# Altium PCB HMI_Board.PcbDoc (part 2 of 3)
Units mm, origin at the board's own origin, x right, y up, seen from the top; angles counter-clockwise.
Board outline 105 x 63 mm, 4 copper layers (L1, L2, L3, L4), stack 1.586 mm thick; 135 components, 123 nets, 623 pads, 296 vias.
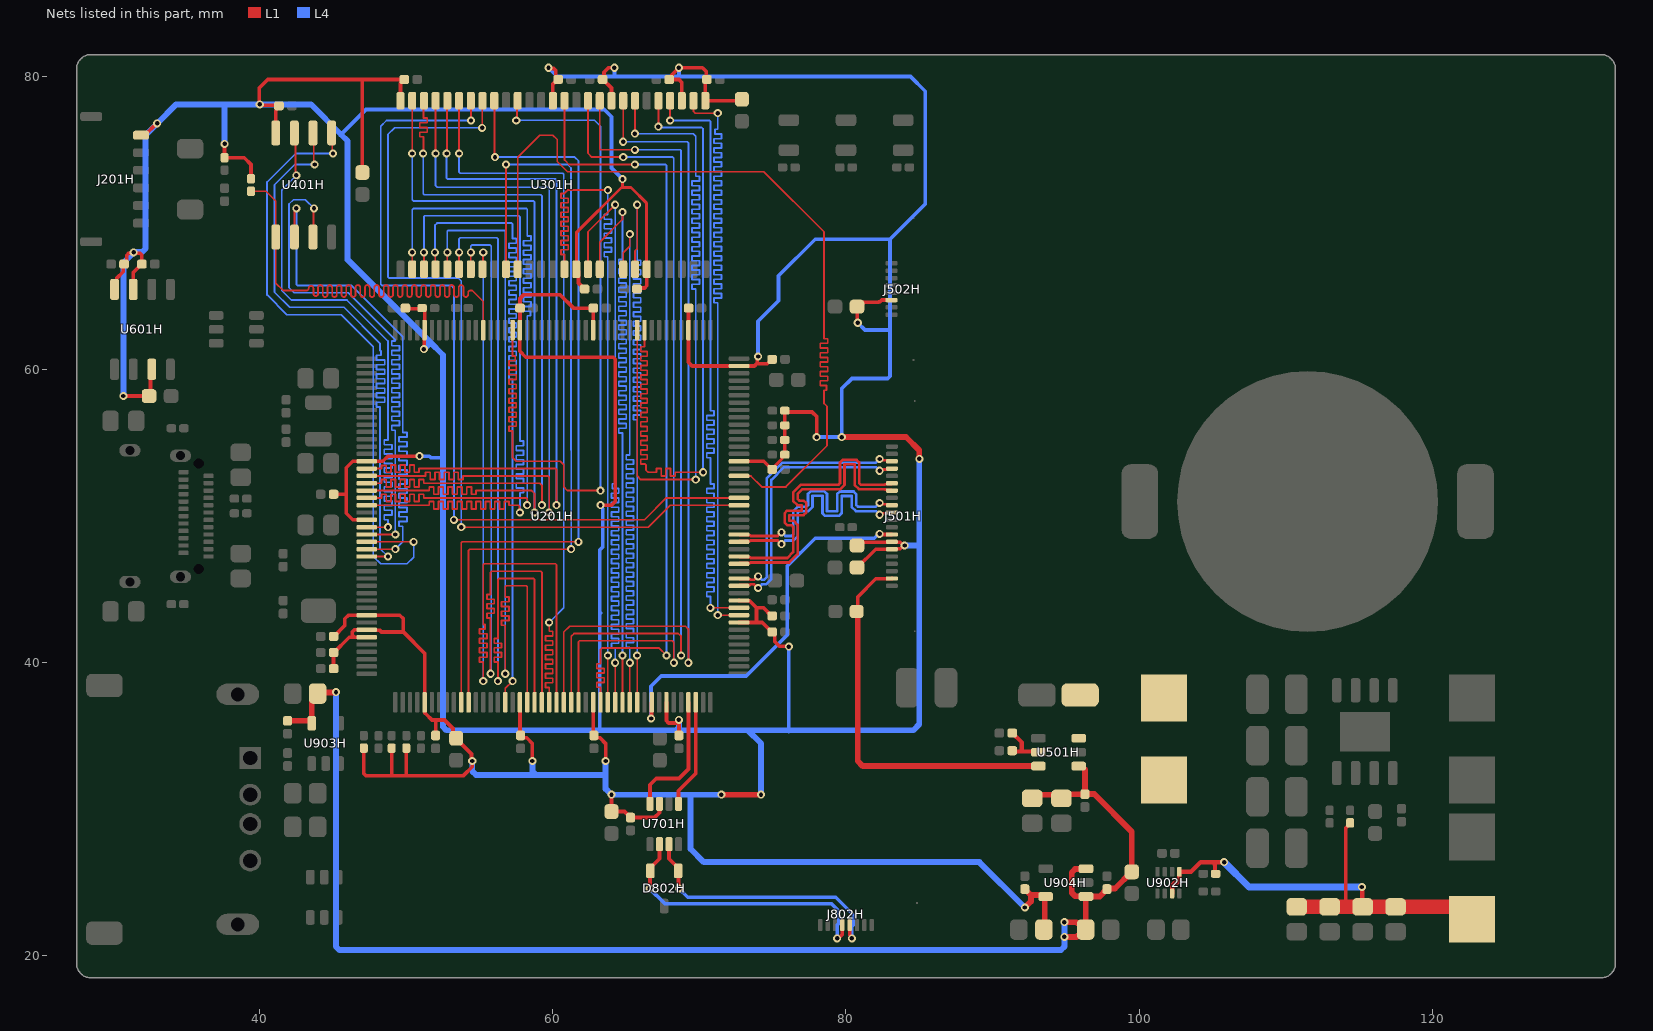
[diagram p4: the nets of this part, all layers, seen from the top]

## Via types
v1: diameter 0.55, hole 0.3, L1 to L4, tented both sides, 290 vias
v2: diameter 0.5, hole 0.2, L1 to L4, 6 vias

## Nets (pads, with @x,y where several pads share a name; then routed paths per layer and width w, separated by ;. In a path a pad name is that pad's centre, name@x,y a point inside that pad or via, vN(x,y) a via of type N, cw(c..) or ccw(c..) an arc to the next point about the centre after c; other vN are vias at no path point)
3.3V: C210H.2 C211H.2 C212H.2 C213H.2 C214H.2 C215H.2 C216H.2 C217H.2 C218H.2 C219H.2 C220H.2 C221H.2 C222H.2 C223H.2 C224H.2 C225H.2 C226H.2 C301H.2 C302H.2 C303H.2 C304H.2 C305H.2 C306H.2 C307H.2 C308H.2 C401H.2 C402H.2 C501H.2 C502H.2 C509H.2 C601H.2 C602H.2 C603H.2 C701H.2 C702H.2 C917H.2 C918H.2 J201H.1 J501H.6 J501H.7 J502H.3 R201H.2 R206H.2 R210H.2 R211H.2 R212H.2 R213H.2 R214H.2 R401H.2 R503H.2 R905H.2 U201H.15 U201H.23 U201H.36 U201H.38 U201H.39 U201H.49 U201H.62 U201H.72 U201H.82 U201H.96 U201H.99 U201H.118 U201H.131 U201H.136 U201H.149 U201H.159 U201H.172 U301H.1 U301H.3 U301H.9 U301H.14 U301H.27 U301H.43 U301H.49 U401H.8 U601H.3 U601H.7 U601H.8 U701H.3 U904H.5 | length 533.5
  L1 w0.2: U301H.43@61.6,66.85 61.6,69.342 64.682,72.424 64.75,72.424 ; v1(64.75,73) 64.75,72.424 ; U301H.49@66.4,66.85 66.4,71.35 65.326,72.424 64.75,72.424 ; C220H.2@75.141,53.425 75.633,53.916 R212H.2@75.633,54.008
  L1 w0.25: U601H.8@30.095,65.475 30.255,65.635 30.255,66.255 30.68,66.68 30.68,67.14 C602H.2@30.74,67.2 30.744,67.2 30.926,67.383 30.926,67.797 31.082,67.952 31.352,67.952 v1(31.4,68) 31.448,67.952 31.814,67.952 31.96,67.806 C601H.2@31.96,67.2 31.94,67.2 31.365,66.625 U601H.7@31.365,65.475 ; v1(30.7,58.2) C603H.2@32.45,58.2 32.543,58.292 32.543,59.932 U601H.3@32.635,60.025 ; J201H.1@31.9,76 32.15,76 32.95,76.8 v1(33,76.8) ; v1(37.6,75.4) R206H.2@37.6,74.465 38.935,74.465 39.4,74 R401H.2@39.4,73.025 ; U401H.8@41.095,76.15 41.095,77.669 41.124,77.697 41.124,77.817 41.306,78 C401H.2@41.31,78 41.26,78.05 40.05,78.05 v1(40,78.1) 39.965,78.135 39.965,79.215 40.55,79.8 47,79.8 C308H.2@49.856,79.8 ; C210H.2@45.04,51.5 45.9,51.5 ; R905H.2@47.1,34.175 47.1,32.446 47.246,32.3 49,32.3 ; U201H.23@47.3,49.75 46.35,49.75 45.9,50.2 45.9,51.5 ; R210H.2@49,34.175 49,32.3 ; U301H.27@49.6,78.35 49.6,79.544 C308H.2@49.856,79.8 ; C308H.2@49.86,79.8 C308H.2@49.856,79.8 ; C223H.2@49.96,64.3 50.109,64.151 51.25,64.151 U201H.172@51.25,62.7 51.225,62.675 51.225,61.425 v1(51.2,61.4) ; 50.3,32.3 49,32.3 ; v1(50.9,54.1) 48.746,54.1 48.396,53.75 U201H.15@47.3,53.75 46.35,53.75 45.9,53.3 45.9,51.5 ; C222H.2@57.755,64.2 57.755,62.705 U201H.159@57.75,62.7 57.75,61.25 58.146,60.854 64.104,60.854 64.25,60.707 64.25,51 64,50.75 v1(63.25,50.75) ; C222H.2@57.76,64.2 57.76,64.86 58,65.1 60.5,65.1 61.4,64.2 C221H.2@62.75,64.2 ; v1(59.7,80.6) 59.748,80.552 60.048,80.552 60.194,80.406 60.194,79.911 C306H.2@60.305,79.8 ; U201H.149@62.75,62.7 C221H.2@62.75,64.2 ; C221H.2@62.76,64.2 C221H.2@62.75,64.2 ; C307H.2@63.39,79.8 63.485,79.895 63.485,80.285 63.8,80.6 v1(64.2,80.6) ; C224H.2@69.26,64.3 69.255,64.295 69.255,62.705 U201H.136@69.25,62.7 69.25,60.5 69.5,60.25 U201H.131@72.7,60.25 73.75,60.25 73.9,60.4 ; U201H.118@72.7,53.75 74.39,53.75 74.94,53.2 C220H.2@74.96,53.2 74.964,53.2 75.165,53.401 C220H.2@75.165,53.405 ; v1(74,60.9) 73.943,60.843 73.943,60.443 73.9,60.4 ; C225H.2@74.96,60.7 74.924,60.7 74.624,60.4 73.9,60.4 ; R212H.2@75.633,54.051 75.782,54.2 R212H.2@75.825,54.2 ; v1(80.8,63.2) 80.775,63.225 80.775,64.325 81.031,64.581 81.252,64.581 81.271,64.6 82.222,64.6 82.249,64.627 82.327,64.627 82.45,64.75 J502H.3@83.103,64.75
  L1 w0.254: C213H.2@45.04,39.6 45.04,40.695 45.045,40.7 C212H.2@45.04,40.7 ; C211H.2@45.04,41.8 45.06,41.8 45.8,42.54 45.8,43 46.05,43.25 U201H.36@47.3,43.25 49.55,43.25 49.8,43 49.8,42.1 ; C212H.2@45.06,40.7 46.073,41.713 ; 46.11,41.75 46.45,41.75 ; C402H.2@47,73.45 47,79.8 ; U201H.39@47.3,41.75 46.45,41.75 ; 50,32.3 R211H.2@50,34.175 ; 50.3,32.3 53.9,32.3 54.5,32.9 v1(54.5,33.3) 54.453,33.347 54.453,33.772 53.4,34.825 C226H.2@53.4,34.85 53.192,35.058 53.192,35.508 52.6,36.1 52,36.1 ; 51.323,36.529 51.752,36.1 52,36.1 ; 51.323,36.53 51.273,36.58 51.273,37.277 U201H.49@51.25,37.3 51.25,40.65 49.8,42.1 ; C214H.2@52,35.06 52,36.1 ; U201H.62@57.75,37.3 57.75,35.09 C215H.2@57.8,35.04 57.96,34.88 58.22,34.88 58.6,34.5 v1(58.6,33.3) ; U301H.14@60,78.35 60,79.495 C306H.2@60.305,79.8 ; U301H.43@61.6,66.85 61.742,66.708 61.742,65.914 62.155,65.5 C304H.2@62.16,65.5 ; U201H.72@62.75,37.3 62.75,35.09 C216H.2@62.8,35.04 62.96,34.88 63.22,34.88 63.6,34.5 v1(63.6,33.3) ; C307H.2@63.41,79.8 64,79.21 U301H.9@64,78.35 ; v1(64,31) C702H.2@64,29.85 64.895,29.85 65.3,29.445 C701H.2@65.3,29.44 66.94,29.44 67.275,29.775 U701H.3@67.275,30.375 ; C303H.2@65.74,65.5 65.809,65.569 66.251,65.569 66.4,65.718 U301H.49@66.4,66.85 ; U201H.82@67.75,37.3 67.75,36.039 67.899,35.89 v1@68.6,35.89 ; C305H.2@67.94,79.8 C305H.2@67.945,79.8 ; C217H.2@68.6,35.04 v1@68.6,35.89 ; v1(68.6,36.1) v1@68.6,35.89 ; U301H.3@68.8,78.35 68.8,79.6 68.6,79.8 C305H.2@67.945,79.8 ; U201H.96@72.7,42.75 73.9,42.75 ; U201H.99@72.7,44.25 72.723,44.227 73.421,44.227 73.9,43.748 ; C301H.2@72.9,78.45 72.8,78.35 U301H.1@70.4,78.35 70.4,79.69 C302H.2@70.51,79.8 70.465,79.845 70.465,80.335 70.2,80.6 v1(68.6,80.6) 68.126,80.126 68.126,79.981 C305H.2@67.945,79.8 ; C219H.2@74.96,43.2 74.925,43.2 74.377,43.748 73.9,43.748 ; R212H.2@75.825,54.2 R214H.2@75.825,55.2 R213H.2@75.825,56.2 R503H.2@75.825,57.2 75.913,57.112 77.688,57.112 78,56.8 v1(78,55.4) ; v1(76.1,41.1) 76.069,41.131 75.469,41.131 75.146,41.454 75.146,41.919 74.965,42.1 C218H.2@74.96,42.1 74.94,42.1 74.29,42.75 73.9,42.75 ; C501H.2@80.75,46.5 80.775,46.5 82.025,47.75 J501H.6@83.132,47.75 83.155,47.773 83.706,47.773 v1@83.933,48 ; C502H.2@80.75,48 80.977,48.227 83.109,48.227 J501H.7@83.132,48.25 83.155,48.227 83.706,48.227 v1@83.933,48 ; v1(84,48) v1@83.933,48 ; 46.45,41.75 46.309,41.891 46.309,42.101 46.458,42.25 U201H.38@47.3,42.25 47.323,42.227 48.173,42.227 48.3,42.1 49.8,42.1 ; 73.9,42.75 73.9,43.7 73.9,43.748
  L1 w0.4: v1(71.5,31) v1(74.2,31) ; v1(79.709,55.4) 84.1,55.4 85,54.5 v1(85,53.912) ; v1(92.2,23.3) 92.61,23.71 92.61,24.15 ; C917H.2@92.2,24.56 92.2,24.54 92.31,24.43 92.33,24.43 92.61,24.15 ; C918H.2@93.5,21.8 93.563,21.863 93.563,23.987 93.4,24.15 92.61,24.15
  L4 w0.25: v1(50.9,54.1) 51.575,54.1 51.675,54 52.5,54 ; 63.241,35.4 63.2,35.441 63.2,43.383 63.2,47.7 63.4,47.9 63.4,50.519 63.25,50.669 v1(63.25,50.75) ; 63.241,43.383 63.25,43.392 ; v1(74,60.9) 74,63.3 75.4,64.7 75.4,66.4 77.9,68.9 83,68.9 85.4,71.3 85.4,79 84.4,80
  L4 w0.254: 45.55,76.05 47.25,77.75 63.5,77.75 64,77.25 64,73.75 v1(64.75,73) ; v1(59.7,80.6) 60.3,80 64.15,80 ; v1(64.2,80.6) 64.2,80.05 64.15,80 ; v1(68.6,80.6) 68.6,80 ; 76.1,35.3 76.1,35.4 v1(76.1,41.1) ; v1(78,55.4) v1(79.709,55.4) 79.709,58.709 80.4,59.4 82.851,59.4 83,59.549 83,62.7 ; v1(80.8,63.2) 81.3,62.7 83,62.7 ; 83,68.9 83,62.7 ; 84.4,80 68.6,80 ; 64.15,80 68.6,80
  L4 w0.4: v1(30.7,58.2) 30.7,67.3 v1(31.4,68) 31.419,68.019 31.966,68.019 32.2,68.253 32.2,76 v1(33,76.8) 34.3,78.1 37.6,78.1 ; v1(37.6,75.4) 37.6,78.1 ; v1(51.2,61.4) 51.6,61.8 51.6,61.9 ; v1(54.5,33.3) 54.5,32.6 54.764,32.336 58.864,32.336 ; v1(58.6,33.3) 58.6,32.6 58.864,32.336 ; v1@63.6,33.273 63.6,32.336 ; v1(68.6,36.1) 68.6,35.6 68.4,35.4 ; v1(71.5,31) 69.392,31 ; v1(74.2,31) 74.2,34.5 73.3,35.4 ; v1(84,48) 84.9,48 85,48.1 ; v1(85,53.912) 85,48.1 ; v1(92.2,23.3) 89.1,26.4 70.3,26.4 69.4,27.3 69.4,30.992 69.392,31 ; 37.6,78.1 v1(40,78.1) 43.5,78.1 45.55,76.05 46,75.6 46,67.5 51.6,61.9 ; 51.6,61.9 52.5,61 52.5,54 52.5,35.634 52.734,35.4 63.241,35.4 68.4,35.4 ; 58.864,32.336 63.6,32.336 ; 63.6,32.336 63.6,31.4 v1(64,31) 69.392,31 ; 68.4,35.4 73.3,35.4 ; 73.3,35.4 76.1,35.4 84.6,35.4 85,35.8 85,48.1
5V: C503H.2 C504H.2 C505H.2 C913H.2 C914H.2 C919H.2 C920H.2 FB901H.2 L501H.1 U501H.1 U903H.5 U904H.1 U904H.3 | length 100.1
  L1 w0.4: C920H.2@41.9,36.04 43.45,36.04 U903H.5@43.55,35.94 ; U903H.5@43.55,35.875 U903H.5@43.55,35.94 ; v1(45.2,38) 45.181,37.981 44.073,37.981 43.95,37.858 43.95,37.854 43.95,37.746 43.55,37.346 U903H.5@43.55,35.94 ; C503H.2@92.7,30.75 92.95,31 94.45,31 C504H.2@94.7,30.75 94.978,31.028 96.288,31.028 C505H.2@96.3,31.04 ; v1@94.927,21.3 95.716,21.3 95.777,21.362 95.958,21.362 96.35,21.754 C914H.2@96.35,21.8 ; v1@94.927,22.3 95.716,22.3 95.777,22.238 95.958,22.238 96.35,21.846 C914H.2@96.35,21.8 ; U501H.1@95.875,32.95 96.075,32.95 96.3,32.725 C505H.2@96.3,31.04 ; U904H.1@96.375,24.05 97.31,24.05 97.8,24.54 C913H.2@97.8,24.56 ; U904H.3@96.375,25.95 96.355,25.93 95.634,25.93 95.4,25.696 95.4,24.304 95.634,24.07 96.355,24.07 96.363,24.062 96.363,21.812 C914H.2@96.35,21.8 ; C913H.2@97.8,24.58 97.821,24.601 98.357,24.601 99.496,25.74 FB901H.2@99.5,25.74 99.5,28.48 96.94,31.04 C505H.2@96.3,31.04
  L4 w0.4: v1(45.2,38) 45.2,20.634 45.434,20.4 94.666,20.4 94.9,20.634 v1(94.9,22.3)
  other v1: 94.9,21.3
5V_Primary: C906H.2 C907H.2 C908H.2 C909H.2 L902H.2 R901H.2 R903H.2 U902H.3 U902H.5 | length 35.8
  L1 w0.25: R901H.2@114.4,29.075 114.4,29.029 114.1,28.729 114.1,23.7 114.45,23.35
  L1 w0.3: U902H.3@102.25,24.26 102.25,24.824 102.426,25 102.574,25 102.75,25.176 U902H.5@102.75,25.74 103.54,25.74 104.2,26.4 105,26.4 ; R903H.2@105.225,25.6 105.176,25.649 105.176,26.224 105,26.4 ; v1(105.8,26.4) 105,26.4 ; v1(115.2,24.7) 115.225,24.675 115.225,23.37 C909H.2@115.205,23.35
  L1 w1: C907H.2@110.75,23.35 C908H.2@113,23.35 114.45,23.35 115.205,23.35 C909H.2@115.25,23.35 C906H.2@117.5,23.35 121.85,23.35 L902H.2@122.7,22.5
  L4 w0.5: v1(105.8,26.4) 107.5,24.7 v1(115.2,24.7)
BL_DRIVER_COMP: C507H.2 C508H.2 U501H.5 | length 3.4
  L1 w0.3: C507H.2@91.34,34 91.39,33.95 92,33.95 ; C508H.2@91.34,35.2 91.36,35.2 92,34.56 92,33.95 ; U501H.5@93.125,33.9 93.075,33.95 92,33.95
BL_DRIVER_FB: J501H.2 R501H.2 U501H.6 | length 26.5
  L1 w0.254: R501H.2@80.725,43.5 80.797,43.572 80.797,44.497 82.027,45.727 83.109,45.727 J501H.2@83.132,45.75
  L1 w0.4: R501H.2@80.8,43.418 80.8,33.3 81.15,32.95 U501H.6@93.125,32.95
BL_DRIVER_SW: D501H.1 L501H.2 U501H.3
CAN2_RX: U201H.85 U701H.4 | length 8.9
  L1 w0.254: U701H.4@66.625,30.375 66.625,31.676 67.049,32.1 68.6,32.1 69.25,32.75 U201H.85@69.25,37.3
CAN2_TX: U201H.86 U701H.1 | length 7.4
  L1 w0.254: U701H.1@68.575,30.375 68.575,31.275 69.75,32.45 U201H.86@69.75,37.3
CAN_CN_N: D802H.2 J802H.5 U701H.6 | length 19.6
  L1 w0.25: v1(66.6,24.6) 66.625,24.625 66.625,25.775 D802H.2@66.65,25.8 ; D802H.2@66.65,26 67.275,26.625 U701H.6@67.275,27.625 ; v1(79.4,21.2) 79.448,21.248 79.536,21.248 79.75,21.462 J802H.5@79.75,22.103
  L4 w0.25: v1(66.6,24.6) 67.65,23.55 79.009,23.55 79.5,23.059 79.5,22.213 79.4,22.113 v1(79.4,21.2)
CAN_CN_P: D802H.1 J802H.4 U701H.7 | length 18.4
  L1 w0.25: U701H.7@67.925,27.625 67.925,26.625 D802H.1@68.55,26 ; D802H.1@68.55,25.8 68.575,25.775 68.575,24.625 v1(68.6,24.6) ; J802H.4@80.25,22.103 80.25,21.418 80.4,21.268 v1(80.4,21.2)
  L4 w0.25: v1(68.6,24.6) 69.2,24 79.3,24 80.5,22.8 80.5,22.084 80.4,21.984 v1(80.4,21.2)
DSI_CK_N: J501H.15 U201H.105 | length 19.9
  L1 w0.18: U201H.105@72.7,47.25 72.76,47.19 73.448,47.19 73.485,47.154 73.8,47.154 75.9,47.154 76,47.154 76.4,47.554 76.4,49.1 76.4,49.28 76.295,49.386 75.99,49.386 75.811,49.565 75.811,50.2 75.99,50.38 76.984,50.38 76.984,50.76 76.685,50.76 76.4,51.045 76.4,51.466 76.4,51.634 76.919,52.154 79.309,52.154 79.489,52.154 79.595,52.259 79.595,53.663 79.775,53.843 80.717,53.843 80.897,53.663 80.897,52.259 81.003,52.154 81.7,52.154 82.647,52.154 82.684,52.19 83.072,52.19 J501H.15@83.132,52.25
DSI_CK_P: J501H.14 U201H.104 | length 19.9
  L1 w0.18: U201H.104@72.7,46.75 72.76,46.81 73.448,46.81 73.485,46.846 73.8,46.846 75.9,46.846 76.127,46.846 76.707,47.426 76.707,49.1 76.707,49.407 76.422,49.693 76.118,49.693 76.118,50.073 77.111,50.073 77.291,50.253 77.291,50.887 77.111,51.067 76.813,51.067 76.707,51.172 76.707,51.466 76.707,51.507 77.046,51.846 79.309,51.846 79.616,51.846 79.902,52.132 79.902,53.536 80.59,53.536 80.59,52.132 80.875,51.846 81.7,51.846 82.647,51.846 82.684,51.81 83.072,51.81 J501H.14@83.132,51.75
DSI_D0_N: J501H.18 U201H.102 | length 18.1
  L1 w0.18: U201H.102@72.7,45.75 72.76,45.69 73.448,45.69 73.485,45.654 73.735,45.654 73.981,45.9 v1(74,45.9) ; v1(82.3,53.9) 82.387,53.9 82.477,53.81 83.072,53.81 J501H.18@83.132,53.75
  L4 w0.18: v1(74,45.9) 74.019,45.9 74.265,45.654 74.415,45.654 74.6,45.839 74.6,52.6 75.654,53.654 82.035,53.654 82.281,53.9 v1(82.3,53.9)
DSI_D0_P: J501H.17 U201H.101 | length 18.1
  L1 w0.18: U201H.101@72.7,45.25 72.76,45.31 73.448,45.31 73.485,45.346 73.735,45.346 73.981,45.1 v1(74,45.1) ; v1(82.3,53.1) 82.387,53.1 82.477,53.19 83.072,53.19 J501H.17@83.132,53.25
  L4 w0.18: v1(74,45.1) 74.019,45.1 74.265,45.346 74.542,45.346 74.907,45.712 74.907,52.473 75.781,53.346 82.035,53.346 82.281,53.1 v1(82.3,53.1)
DSI_D1_N: J501H.12 U201H.108 | length 16.8
  L1 w0.18: U201H.108@72.7,48.75 72.76,48.69 73.448,48.69 73.485,48.654 74.961,48.654 75.335,48.654 75.581,48.9 v1(75.6,48.9) ; v1(82.3,50.9) 82.387,50.9 82.477,50.81 83.072,50.81 J501H.12@83.132,50.75
  L4 w0.18: v1(75.6,48.9) 75.619,48.9 75.865,48.654 76.295,48.654 76.4,48.759 76.4,50.334 76.719,50.654 77.12,50.654 77.3,50.654 77.405,50.759 77.405,51.52 77.585,51.7 78.528,51.7 78.708,51.52 78.708,50.329 79.396,50.329 79.396,51.502 79.576,51.682 80.518,51.682 80.698,51.502 80.698,50.759 80.803,50.654 81.4,50.654 82.035,50.654 82.281,50.9 v1(82.3,50.9)
DSI_D1_P: J501H.11 U201H.107 | length 16.8
  L1 w0.18: U201H.107@72.7,48.25 72.76,48.31 73.448,48.31 73.485,48.346 75.088,48.346 75.335,48.346 75.581,48.1 v1(75.6,48.1) ; v1(82.3,50.1) 82.387,50.1 82.477,50.19 83.072,50.19 J501H.11@83.132,50.25
  L4 w0.18: v1(75.6,48.1) 75.619,48.1 75.865,48.346 76.422,48.346 76.707,48.632 76.707,50.207 76.846,50.346 77.12,50.346 77.427,50.346 77.712,50.632 77.712,51.393 78.401,51.393 78.401,50.202 78.58,50.022 79.523,50.022 79.703,50.202 79.703,51.374 80.391,51.374 80.391,50.632 80.676,50.346 81.4,50.346 82.035,50.346 82.281,50.1 v1(82.3,50.1)
DSI_TE: J501H.8 U201H.80 | length 26.8
  L1 w0.25: v1(66.7,36.2) 66.725,36.225 66.725,37.275 U201H.80@66.75,37.3 ; v1(82.3,48.8) 82.368,48.8 82.418,48.75 J501H.8@83.132,48.75
  L4 w0.25: v1(66.7,36.2) 66.7,38.4 67.4,39.1 73.2,39.1 76,41.9 76,46.6 77.9,48.5 81.932,48.5 82.232,48.8 v1(82.3,48.8)
FLASH_C\S\: R401H.1 U201H.164 U401H.1 | length 46.7
  L1 w0.12: R401H.1@39.4,72.175 40.425,72.175 41.095,71.505 U401H.1@41.095,69.05 41.095,65.905 41.6,65.4 42.855,65.4 43.18,65.4 ccw(c43.18,65.56) 43.34,65.56 cw(c43.5,65.56) 43.66,65.56 43.66,65.186 ccw(c43.82,65.186) 43.98,65.186 43.98,65.609 cw(c44.14,65.609) 44.3,65.609 44.3,65.12 ccw(c44.46,65.12) 44.62,65.12 44.62,65.609 cw(c44.78,65.609) 44.94,65.609 44.94,65.12 ccw(c45.1,65.12) 45.26,65.12 45.26,65.609 cw(c45.42,65.609) 45.58,65.609 45.58,65.12 ccw(c45.74,65.12) 45.9,65.12 45.9,65.609 cw(c46.06,65.609) 46.22,65.609 46.22,65.12 ccw(c46.38,65.12) 46.54,65.12 46.54,65.609 cw(c46.7,65.609) 46.86,65.609 46.86,65.12 ccw(c47.02,65.12) 47.18,65.12 47.18,65.609 cw(c47.34,65.609) 47.5,65.609 47.5,65.12 ccw(c47.66,65.12) 47.82,65.12 47.82,65.609 cw(c47.98,65.609) 48.14,65.609 48.14,65.12 ccw(c48.3,65.12) 48.46,65.12 48.46,65.609 cw(c48.62,65.609) 48.78,65.609 48.78,65.12 ccw(c48.94,65.12) 49.1,65.12 49.1,65.609 cw(c49.26,65.609) 49.42,65.609 49.42,65.12 ccw(c49.58,65.12) 49.74,65.12 49.74,65.609 cw(c49.9,65.609) 50.06,65.609 50.06,65.12 ccw(c50.22,65.12) 50.38,65.12 50.38,65.609 cw(c50.54,65.609) 50.7,65.609 50.7,65.12 ccw(c50.86,65.12) 51.02,65.12 51.02,65.609 cw(c51.18,65.609) 51.34,65.609 51.34,65.12 ccw(c51.5,65.12) 51.66,65.12 51.66,65.609 cw(c51.82,65.609) 51.98,65.609 51.98,65.12 ccw(c52.14,65.12) 52.3,65.12 52.3,65.609 cw(c52.46,65.609) 52.62,65.609 52.62,65.12 ccw(c52.78,65.12) 52.94,65.12 52.94,65.609 cw(c53.1,65.609) 53.26,65.609 53.26,65.12 ccw(c53.42,65.12) 53.58,65.12 53.58,65.609 cw(c53.74,65.609) 53.9,65.609 53.9,65.12 ccw(c54.06,65.12) 54.22,65.12 54.22,65.24 cw(c54.38,65.24) 54.38,65.4 54.5,65.4 54.6,65.3 55.25,64.65 U201H.164@55.25,62.7
FLASH_D0: U201H.26 U401H.5 | length 44.9
  L1 w0.12: U401H.5@44.905,76.15 44.953,76.102 44.953,74.797 v1(45,74.75) ; U201H.26@47.3,48.25 v1(50.5,48.25)
  L4 w0.12: v1(45,74.75) 42.45,74.75 40.5,72.8 40.5,65.1 41.85,63.75 45.55,63.75 47.75,61.55 47.75,47.25 48.25,46.75 50.05,46.75 50.5,47.2 v1(50.5,48.25)
FLASH_D1: U201H.27 U401H.2 | length 43.4
  L1 w0.12: U401H.2@42.365,69.05 42.365,70.762 42.5,70.897 v1(42.5,71) ; U201H.27@47.3,47.75 v1(49.25,47.75)
  L4 w0.12: v1(42.5,71) 42.5,65.82 42.57,65.75 46.25,65.75 49.75,62.25 49.75,55.845 49.75,55.72 50.04,55.72 50.04,55.4 49.5,55.4 49.5,55.08 50.04,55.08 50.04,54.76 49.5,54.76 49.5,54.44 50.04,54.44 50.04,54.12 49.5,54.12 49.5,53.8 50.04,53.8 50.04,53.48 49.5,53.48 49.5,53.16 50.04,53.16 50.04,52.84 49.5,52.84 49.5,52.52 50.04,52.52 50.04,52.2 49.5,52.2 49.5,51.88 50.04,51.88 50.04,51.56 49.5,51.56 49.5,51.24 50.04,51.24 50.04,50.92 49.5,50.92 49.5,50.6 50.04,50.6 50.04,50.28 49.5,50.28 49.5,49.96 50.04,49.96 50.04,49.64 49.5,49.64 49.5,49.32 49.75,49.32 49.75,49.26 49.75,48.25 v1(49.25,47.75)
FLASH_D2: U201H.25 U401H.3 | length 43.8
  L1 w0.12: U401H.3@43.635,69.05 43.667,69.082 43.667,70.968 v1(43.7,71) ; U201H.25@47.3,48.75 v1(49.25,48.75)
  L4 w0.12: v1(43.7,71) 43.1,71.6 42.3,71.6 42,71.3 42,65.6 42.35,65.25 46.05,65.25 49.25,62.05 49.25,62.039 49.25,61.947 49,61.947 49,61.627 49.53,61.627 49.53,61.307 49,61.307 49,60.987 49.53,60.987 49.53,60.667 49,60.667 49,60.347 49.53,60.347 49.53,60.027 49,60.027 49,59.707 49.53,59.707 49.53,59.387 49,59.387 49,59.067 49.53,59.067 49.53,58.747 49,58.747 49,58.427 49.53,58.427 49.53,58.107 49,58.107 49,57.787 49.53,57.787 49.53,57.467 49,57.467 49,57.147 49.53,57.147 49.53,56.827 49,56.827 49,56.507 49.53,56.507 49.53,56.187 49,56.187 49,55.867 49.25,55.867 49.25,55.807 v1(49.25,48.75)
FLASH_D3: U201H.24 U401H.7 | length 43
  L1 w0.12: U401H.7@42.365,76.15 42.433,76.082 42.433,73.317 v1(42.5,73.25) ; U201H.24@47.3,49.25 v1(48.75,49.25)
  L4 w0.12: v1(42.5,73.25) 41.5,72.25 41.5,65.4 42.15,64.75 45.95,64.75 48.75,61.95 48.75,55.468 48.75,55.202 48.5,55.202 48.5,54.882 49.03,54.882 49.03,54.562 48.5,54.562 48.5,54.242 49.03,54.242 49.03,53.922 48.5,53.922 48.5,53.602 49.03,53.602 49.03,53.282 48.5,53.282 48.5,52.962 49.03,52.962 49.03,52.642 48.5,52.642 48.5,52.322 49.03,52.322 49.03,52.002 48.5,52.002 48.5,51.682 49.03,51.682 49.03,51.362 48.5,51.362 48.5,51.042 49.03,51.042 49.03,50.722 48.5,50.722 48.5,50.402 49.03,50.402 49.03,50.082 48.5,50.082 48.5,49.762 48.75,49.762 48.75,49.702 v1@48.75,49.259
FLASH_SCK: U201H.28 U401H.6 | length 43.9
  L1 w0.12: U401H.6@43.635,76.15 43.693,76.092 43.693,74.057 v1(43.75,74) ; U201H.28@47.3,47.25 v1(48.75,47.25)
  L4 w0.12: v1(43.75,74) 42.4,74 41,72.6 41,65.3 42.05,64.25 45.75,64.25 48.2,61.8 48.2,61.46 48.2,61.295 48.267,61.295 48.267,60.975 47.97,60.975 47.97,60.655 48.53,60.655 48.53,60.335 47.97,60.335 47.97,60.015 48.53,60.015 48.53,59.695 47.97,59.695 47.97,59.375 48.53,59.375 48.53,59.055 47.97,59.055 47.97,58.735 48.53,58.735 48.53,58.415 47.97,58.415 47.97,58.095 48.53,58.095 48.53,57.775 47.97,57.775 47.97,57.455 48.2,57.455 48.2,57.395 48.2,47.8 v1(48.75,47.25)
FMC_A0: U201H.16 U301H.23 | length 54.4
  L1 w0.12: U201H.16@47.3,53.25 48.25,53.25 48.31,53.25 48.31,53.465 48.63,53.465 48.63,53 48.95,53 48.95,53.5 49.27,53.5 49.27,53 49.59,53 49.59,53.5 49.91,53.5 49.91,53 50.23,53 50.23,53.5 50.55,53.5 50.55,53 50.87,53 50.87,53.25 50.935,53.25 60.18,53.25 60.25,53.18 v1(60.25,50.75) ; v1(52.75,74.75) 52.775,74.775 52.775,78.325 U301H.23@52.8,78.35
  L4 w0.12: v1(52.75,74.75) 52.75,73.07 52.82,73 60.18,73 60.25,72.93 v1(60.25,50.75)
FMC_A1: U201H.17 U301H.24 | length 54.6
  L1 w0.12: U201H.17@47.3,52.75 48.3,52.75 50.09,52.75 51.25,52.75 51.31,52.75 51.31,53 51.63,53 51.63,52.5 51.95,52.5 51.95,53 52.27,53 52.27,52.5 52.59,52.5 52.59,53 52.91,53 52.91,52.5 53.23,52.5 53.23,53 53.55,53 53.55,52.5 53.87,52.5 53.87,52.75 54.25,52.75 59.65,52.75 59.75,52.65 v1(59.75,50.25) ; v1(52,74.75) U301H.24@52,78.35
  L4 w0.12: v1(52,74.75) 52,72.55 52.1,72.45 59.68,72.45 59.75,72.38 v1(59.75,50.25)
FMC_A2: U201H.18 U301H.25 | length 55.5
  L1 w0.12: U201H.18@47.3,52.25 48.25,52.25 48.31,52.25 48.31,52.5 48.63,52.5 48.63,52 48.95,52 48.95,52.5 49.27,52.5 49.27,52 49.59,52 49.59,52.5 49.91,52.5 49.91,52 50.23,52 50.23,52.5 50.55,52.5 50.55,52 50.87,52 50.87,52.5 51.19,52.5 51.19,52.25 51.5,52.25 59.1,52.25 59.25,52.1 v1(59.25,50.75) ; v1(51.15,74.75) 51.175,74.775 51.175,75.825 51.175,75.885 50.925,75.885 50.925,76.205 51.425,76.205 51.425,76.525 50.925,76.525 50.925,76.845 51.425,76.845 51.425,77.165 51.175,77.165 51.175,77.25 51.175,78.325 U301H.25@51.2,78.35
  L4 w0.12: v1(51.15,74.75) 51.15,72 51.22,71.93 59.18,71.93 59.25,71.859 v1(59.25,50.75)
FMC_A3: U201H.19 U301H.26 | length 54.2
  L1 w0.12: U201H.19@47.3,51.75 48.1,51.75 50.8,51.75 51.5,51.75 51.56,51.75 51.56,52 51.88,52 51.88,51.5 52.2,51.5 52.2,52 52.52,52 52.52,51.5 52.84,51.5 52.84,52 53.16,52 53.16,51.5 53.48,51.5 53.48,52 53.8,52 53.8,51.5 54.12,51.5 54.12,52 54.44,52 54.44,51.5 54.76,51.5 54.76,51.75 55,51.75 58.55,51.75 58.75,51.55 v1(58.75,50.25) ; v1(50.4,74.75) U301H.26@50.4,78.35
  L4 w0.12: v1(50.4,74.75) 50.4,71.6 50.5,71.5 58.68,71.5 58.75,71.43 v1(58.75,50.25)
FMC_A4: U201H.20 U301H.29 | length 56.5
  L1 w0.12: U201H.20@47.3,51.25 48.25,51.25 48.31,51.25 48.31,51.5 48.63,51.5 48.63,51 48.95,51 48.95,51.5 49.27,51.5 49.27,51 49.59,51 49.59,51.5 49.91,51.5 49.91,51 50.23,51 50.23,51.5 50.55,51.5 50.55,51 50.87,51 50.87,51.5 51.19,51.5 51.19,51.25 51.5,51.25 58.18,51.25 58.25,51.18 v1(58.25,50.75) ; U301H.29@50.4,66.85 v1(50.4,68)
  L4 w0.12: v1(50.4,68) 50.4,70.9 50.5,71 58.18,71 58.25,70.93 58.25,69.17 58.25,69.11 58.5,69.11 58.5,68.79 58,68.79 58,68.47 58.5,68.47 58.5,68.15 58,68.15 58,67.83 58.5,67.83 58.5,67.51 58,67.51 58,67.19 58.5,67.19 58.5,66.87 58,66.87 58,66.55 58.5,66.55 58.5,66.23 58,66.23 58,65.91 58.5,65.91 58.5,65.59 58,65.59 58,65.27 58.5,65.27 58.5,64.95 58,64.95 58,64.63 58.5,64.63 58.5,64.31 58,64.31 58,63.99 58.475,63.99 58.475,63.67 58.25,63.67 58.25,62.67 v1(58.25,50.75)
FMC_A5: U201H.21 U301H.30 | length 55.3
  L1 w0.12: U201H.21@47.3,50.75 51.5,50.75 51.56,50.75 51.56,51 51.88,51 51.88,50.5 52.2,50.5 52.2,51 52.52,51 52.52,50.5 52.84,50.5 52.84,51 53.16,51 53.16,50.5 53.48,50.5 53.48,51 53.8,51 53.8,50.5 54.12,50.5 54.12,51 54.44,51 54.44,50.5 54.76,50.5 54.76,51 55.08,51 55.08,50.5 55.4,50.5 55.4,51 55.72,51 55.72,50.5 56.04,50.5 56.04,51 56.36,51 56.36,50.5 56.68,50.5 56.68,51 57,51 57,50.75 57.25,50.75 57.65,50.75 57.72,50.68 57.72,50.28 v1(57.75,50.25) ; U301H.30@51.2,66.85 v1(51.2,68)
  L4 w0.12: v1(51.2,68) 51.2,70.43 51.27,70.5 57.68,70.5 57.75,70.43 57.75,55.185 57.75,55.125 58,55.125 58,54.805 57.5,54.805 57.5,54.485 58,54.485 58,54.165 57.5,54.165 57.5,53.845 58,53.845 58,53.525 57.5,53.525 57.5,53.205 58,53.205 58,52.885 57.5,52.885 57.5,52.565 58,52.565 58,52.245 57.5,52.245 57.5,51.925 58,51.925 58,51.605 57.75,51.605 57.75,51.435 v1(57.75,50.25)
FMC_A6: U201H.60 U301H.31 | length 56.2
  L1 w0.12: v1(51.95,68) 51.975,67.975 51.975,66.875 U301H.31@52,66.85 ; U201H.60@56.75,37.3 56.75,38.25 v1(57.25,38.75)
  L4 w0.12: v1(51.95,68) 51.95,69.85 52.1,70 57.18,70 57.25,69.93 57.25,69 57.25,68.94 57.5,68.94 57.5,68.62 57,68.62 57,68.3 57.5,68.3 57.5,67.98 57,67.98 57,67.66 57.5,67.66 57.5,67.34 57,67.34 57,67.02 57.5,67.02 57.5,66.7 57,66.7 57,66.38 57.5,66.38 57.5,66.06 57,66.06 57,65.74 57.5,65.74 57.5,65.42 57,65.42 57,65.1 57.5,65.1 57.5,64.78 57,64.78 57,64.46 57.5,64.46 57.5,64.14 57,64.14 57,63.82 57.5,63.82 57.5,63.5 57,63.5 57,63.18 57.5,63.18 57.5,62.86 57,62.86 57,62.54 57.5,62.54 57.5,62.22 57,62.22 57,61.9 57.5,61.9 57.5,61.58 57,61.58 57,61.26 57.5,61.26 57.5,60.94 57,60.94 57,60.62 57.5,60.62 57.5,60.3 57,60.3 57,59.98 57.5,59.98 57.5,59.66 57,59.66 57,59.34 57.25,59.34 57.25,59.25 v1(57.25,38.75)
FMC_A7: U201H.63 U301H.32 | length 55.1
  L1 w0.12: U301H.32@52.8,66.85 v1(52.8,68) ; v1(56.75,39.25) 56.75,42.5 56.75,42.56 56.5,42.56 56.5,42.88 57,42.88 57,43.2 56.5,43.2 56.5,43.52 57,43.52 57,43.84 56.5,43.84 56.5,44.16 57,44.16 57,44.48 56.75,44.48 56.75,44.8 56.75,45.18 56.82,45.25 58.18,45.25 58.25,45.18 U201H.63@58.25,37.3
  L4 w0.12: v1(52.8,68) 52.8,69.43 52.87,69.5 56.68,69.5 56.75,69.43 v1(56.75,39.25)
FMC_A8: U201H.64 U301H.33 | length 55.3
  L1 w0.12: U301H.33@53.6,66.85 v1(53.6,68) ; v1(56.25,38.75) 56.25,40 56.25,40.06 56,40.06 56,40.38 56.5,40.38 56.5,40.7 56,40.7 56,41.02 56.5,41.02 56.5,41.34 56,41.34 56,41.66 56.25,41.66 56.25,42 56.25,45.68 56.32,45.75 58.68,45.75 58.75,45.68 U201H.64@58.75,37.3
  L4 w0.12: v1(53.6,68) 53.6,68.93 53.67,69 56.18,69 56.25,68.93 v1(56.25,38.75)
FMC_A9: U201H.65 U301H.34 | length 54.1
  L1 w0.12: U301H.34@54.4,66.85 v1(54.4,68) ; v1(55.75,39.25) 55.75,43 55.75,43.06 55.5,43.06 55.5,43.38 56,43.38 56,43.7 55.5,43.7 55.5,44.02 56,44.02 56,44.34 55.5,44.34 55.5,44.66 55.75,44.66 55.75,45 55.75,46.18 55.82,46.25 59.18,46.25 59.25,46.18 U201H.65@59.25,37.3
  L4 w0.12: v1(54.4,68) 54.4,68.43 54.47,68.5 55.73,68.5 55.8,68.43 55.8,39.3 v1(55.75,39.25)
FMC_A10: U201H.66 U301H.22 | length 54.5
  L1 w0.12: v1(53.6,74.75) U301H.22@53.6,78.35 ; U201H.66@59.75,37.3 59.75,38.25 59.75,38.31 59.5,38.31 59.5,38.63 60,38.63 60,38.95 59.5,38.95 59.5,39.27 60,39.27 60,39.59 59.5,39.59 59.5,39.91 60,39.91 60,40.23 59.5,40.23 59.5,40.55 60,40.55 60,40.87 59.5,40.87 59.5,41.19 60,41.19 60,41.51 59.5,41.51 59.5,41.83 60,41.83 60,42.15 59.75,42.15 59.75,42.485 v1(59.75,42.75)
  L4 w0.12: v1(53.6,74.75) 53.6,73.47 53.67,73.4 60.68,73.4 60.75,73.33 60.75,43.75 v1(59.75,42.75)
FMC_A11: U201H.67 U301H.35 | length 56.5
  L1 w0.12: U301H.35@55.2,66.85 55.225,66.875 55.225,67.975 v1(55.25,68) ; v1(55.25,38.75) 55.25,40 55.25,40.06 55,40.06 55,40.38 55.5,40.38 55.5,40.7 55,40.7 55,41.02 55.5,41.02 55.5,41.34 55,41.34 55,41.66 55.5,41.66 55.5,41.98 55,41.98 55,42.3 55.365,42.3 55.365,42.62 55.25,42.62 55.25,42.75 55.25,46.68 55.32,46.75 60.18,46.75 60.25,46.68 U201H.67@60.25,37.3
  L4 w0.12: v1(55.25,38.75) v1(55.25,68)
FMC_BA0: U201H.112 U301H.20 | length 59.7
  L1 w0.12: v1(53.75,49.25) 66.5,49.25 68,50.75 U201H.112@72.7,50.75 ; v1(55.179,76.5) 55.19,76.51 55.19,78.34 U301H.20@55.2,78.35
  L4 w0.12: v1(53.75,49.25) 53.75,66.05 53.55,66.25 48.82,66.25 48.75,66.32 48.75,76.05 49.2,76.5 v1(55.179,76.5)
FMC_BA1: U201H.113 U301H.21 | length 59.4
  L1 w0.12: v1(53.25,49.75) 53.259,49.759 66.25,49.759 67.741,51.25 U201H.113@72.7,51.25 ; U301H.21@54.4,78.35 54.407,78.343 54.407,77.007 v1(54.414,77)
  L4 w0.12: v1(53.25,49.75) 53.25,65.55 53.05,65.75 48.32,65.75 48.25,65.82 48.25,76.6 48.65,77 v1(54.414,77)
FMC_C\A\S\: U201H.160 U301H.17 | length 56.5
  L1 w0.12: U201H.160@57.25,62.7 57.25,61.25 57.25,60.93 57.43,60.93 57.43,60.61 57,60.61 57,60.29 57.5,60.29 57.5,59.97 57,59.97 57,59.65 57.5,59.65 57.5,59.33 57,59.33 57,59.01 57.5,59.01 57.5,58.69 57,58.69 57,58.37 57.5,58.37 57.5,58.05 57,58.05 57,57.73 57.5,57.73 57.5,57.41 57,57.41 57,57.09 57.5,57.09 57.5,56.77 57,56.77 57,56.45 57.5,56.45 57.5,56.13 57,56.13 57,55.81 57.25,55.81 57.25,55.75 57.25,54 57.5,53.75 60.5,53.75 60.75,53.5 60.75,52 61,51.75 v1(63.25,51.75) ; v1(57.5,77) 57.55,77.05 57.55,78.3 U301H.17@57.6,78.35
  L4 w0.12: v1(57.5,77) 59.272,77.01 cw(c59.275,76.525) 59.277,77.01 62.85,77 62.885,76.965 63.25,76.6 v1(63.25,51.75)
FMC_C\S\: U201H.54 U301H.19 | length 54.6
  L1 w0.12: U201H.54@53.75,37.3 53.75,43.3 53.75,48.18 53.82,48.25 v1(61.75,48.25) ; U301H.19@56,78.35 56.025,78.325 56.025,74.525 v1(56.05,74.5)
  L4 w0.12: v1(56.05,74.5) 61.5,74.5 61.75,74.25 v1(61.75,48.25)
FMC_CKE: U201H.55 U301H.37 | length 55.1
  L1 w0.12: U201H.55@54.25,37.3 54.25,38.25 54.25,47.68 54.32,47.75 v1(61.25,47.75) ; U301H.37@56.8,66.85 v1(56.8,74)
  L4 w0.12: v1(56.8,74) 61,74 61.239,73.761 61.239,54.511 61.25,54.5 v1(61.25,47.75)
FMC_CLK: U201H.116 U301H.38 | length 60.3
  L1 w0.12: U301H.38@57.6,66.85 57.6,74.5 59.1,76 60,76 60.3,75.7 60.3,74.2 61,73.5 74.4,73.5 78.5,69.4 78.5,62.175 78.5,62.115 78.75,62.115 78.75,61.795 78.25,61.795 78.25,61.475 78.75,61.475 78.75,61.155 78.25,61.155 78.25,60.835 78.75,60.835 78.75,60.515 78.25,60.515 78.25,60.195 78.75,60.195 78.75,59.875 78.25,59.875 78.25,59.555 78.75,59.555 78.75,59.235 78.25,59.235 78.25,58.915 78.668,58.915 78.668,58.595 78.5,58.595 78.5,57.698 78.7,57.498 78.7,54.8 75.9,52 74.25,52 73.51,52.74 72.71,52.74 U201H.116@72.7,52.75
FMC_D0: U201H.97 U301H.2 | length 56.5
  L1 w0.12: U301H.2@69.6,78.35 69.6,77.615 69.715,77.5 v1(71.25,77.5) ; v1(71.25,43.25) U201H.97@72.7,43.25
  L4 w0.12: v1(71.25,43.25) 71.25,64.5 71.25,64.56 71,64.56 71,64.88 71.5,64.88 71.5,65.2 71,65.2 71,65.52 71.5,65.52 71.5,65.84 71,65.84 71,66.16 71.5,66.16 71.5,66.48 71,66.48 71,66.8 71.5,66.8 71.5,67.12 71,67.12 71,67.44 71.5,67.44 71.5,67.76 71,67.76 71,68.08 71.5,68.08 71.5,68.4 71,68.4 71,68.72 71.5,68.72 71.5,69.04 71,69.04 71,69.36 71.5,69.36 71.5,69.68 71,69.68 71,70 71.5,70 71.5,70.32 71,70.32 71,70.64 71.5,70.64 71.5,70.96 71,70.96 71,71.28 71.5,71.28 71.5,71.6 71,71.6 71,71.92 71.5,71.92 71.5,72.24 71,72.24 71,72.56 71.5,72.56 71.5,72.88 71,72.88 71,73.2 71.5,73.2 71.5,73.52 71,73.52 71,73.84 71.5,73.84 71.5,74.16 71,74.16 71,74.48 71.5,74.48 71.5,74.8 71,74.8 71,75.12 71.5,75.12 71.5,75.44 71,75.44 71,75.76 71.5,75.76 71.5,76.08 71.062,76.08 71.062,76.4 71.25,76.4 71.25,76.75 71.25,77.15 v1(71.25,77.5)
FMC_D1: U201H.98 U301H.4 | length 56.3
  L1 w0.12: v1(68,77) U301H.4@68,78.35 ; v1(70.75,43.75) U201H.98@72.7,43.75
  L4 w0.12: v1(68,77) 70.68,77 70.75,76.93 70.75,63.251 70.75,57.25 70.75,57.19 71,57.19 71,56.87 70.5,56.87 70.5,56.55 71,56.55 71,56.23 70.5,56.23 70.5,55.91 71,55.91 71,55.59 70.5,55.59 70.5,55.27 71,55.27 71,54.95 70.5,54.95 70.5,54.63 71,54.63 71,54.31 70.5,54.31 70.5,53.99 70.75,53.99 70.75,53.75 70.75,52.65 70.75,52.265 70.75,52.205 71,52.205 71,51.885 70.5,51.885 70.5,51.565 71,51.565 71,51.245 70.5,51.245 70.5,50.925 71,50.925 71,50.605 70.5,50.605 70.5,50.285 71,50.285 71,49.965 70.5,49.965 70.5,49.645 71,49.645 71,49.325 70.5,49.325 70.5,49.005 71,49.005 71,48.685 70.5,48.685 70.5,48.365 71,48.365 71,48.045 70.5,48.045 70.5,47.725 71,47.725 71,47.405 70.5,47.405 70.5,47.085 71,47.085 71,46.765 70.5,46.765 70.5,46.445 71,46.445 71,46.125 70.5,46.125 70.5,45.805 71,45.805 71,45.485 70.5,45.485 70.5,45.165 71,45.165 71,44.845 70.5,44.845 70.5,44.525 70.75,44.525 70.75,44.2 v1(70.75,43.75)
FMC_D2: U201H.142 U301H.5 | length 54.9
  L1 w0.12: U201H.142@66.25,62.7 66.25,62.35 66.25,61.56 66,61.56 66,61.24 66.44,61.24 66.44,60.92 66,60.92 66,60.6 66.44,60.6 66.44,60.28 66,60.28 66,59.96 66.44,59.96 66.44,59.64 66,59.64 66,59.32 66.44,59.32 66.44,59 66,59 66,58.68 66.44,58.68 66.44,58.36 66,58.36 66,58.04 66.44,58.04 66.44,57.72 66,57.72 66,57.4 66.44,57.4 66.44,57.08 66,57.08 66,56.76 66.44,56.76 66.44,56.44 66,56.44 66,56.12 66.44,56.12 66.44,55.8 66,55.8 66,55.48 66.44,55.48 66.44,55.16 66,55.16 66,54.84 66.44,54.84 66.44,54.52 66,54.52 66,54.2 66.44,54.2 66.44,53.88 66.001,53.88 66.001,53.56 66.29,53.56 66.35,53.5 66.35,53.15 66.5,53 66.75,53 67.07,53 67.07,53.25 67.39,53.25 67.39,52.75 67.71,52.75 67.71,53.25 68.03,53.25 68.03,52.75 68.35,52.75 68.35,53 68.41,53 v1(70.25,53) ; v1(67.2,76.585) U301H.5@67.2,78.35
  L4 w0.12: v1(67.2,76.585) 67.27,76.515 70.165,76.515 70.25,76.43 v1(70.25,53)
FMC_D3: U201H.143 U301H.7 | length 56
  L1 w0.12: v1(65.6,76.1) U301H.7@65.6,78.35 ; U201H.143@65.75,62.7 65.75,61.95 65.75,56.1 65.75,52.75 66,52.5 v1(69.75,52.5)
  L4 w0.12: v1(65.6,76.1) 69.58,76.1 69.75,75.93 69.75,73.25 69.75,73.19 70,73.19 70,72.87 69.5,72.87 69.5,72.55 70,72.55 70,72.23 69.5,72.23 69.5,71.91 70,71.91 70,71.59 69.5,71.59 69.5,71.27 70,71.27 70,70.95 69.5,70.95 69.5,70.63 70,70.63 70,70.31 69.5,70.31 69.5,69.99 70,69.99 70,69.67 69.5,69.67 69.5,69.35 70,69.35 70,69.03 69.5,69.03 69.5,68.71 70,68.71 70,68.39 69.5,68.39 69.5,68.07 70,68.07 70,67.75 69.5,67.75 69.5,67.43 70,67.43 70,67.11 69.5,67.11 69.5,66.79 70,66.79 70,66.47 69.5,66.47 69.5,66.15 70,66.15 70,65.83 69.5,65.83 69.5,65.51 69.75,65.51 69.75,65.19 v1(69.75,52.5)
FMC_D4: U201H.68 U301H.8 | length 58.6
  L1 w0.12: U201H.68@60.75,37.3 60.75,42.1 61.15,42.5 69.05,42.5 69.25,42.3 v1(69.25,40) ; v1(64.791,75.55) 64.796,75.554 64.796,78.346 U301H.8@64.8,78.35
  L4 w0.12: v1(64.791,75.55) 69.18,75.55 69.25,75.48 v1(69.25,40)
FMC_D5: U201H.69 U301H.10 | length 56.8
  L1 w0.12: U201H.69@61.25,37.3 61.25,41.8 61.45,42 68.55,42 68.75,41.8 v1(68.75,40.5) ; U301H.10@63.2,78.35 63.203,78.347 63.203,77.4 63.203,76.255 63.203,75.07 63.274,75 v1(65.6,75)
  L4 w0.12: v1(65.6,75) 68.68,75 68.75,74.93 v1(68.75,40.5)
FMC_D6: U201H.70 U301H.11 | length 56.1
  L1 w0.12: U201H.70@61.75,37.3 61.75,41.43 61.82,41.5 68.15,41.5 68.25,41.4 v1(68.25,40) ; U301H.11@62.4,78.35 62.394,78.344 62.394,77.4 62.394,75.8 62.394,74.756 62.65,74.5 v1(64.8,74.5)
  L4 w0.12: v1(64.8,74.5) 68.18,74.5 68.25,74.43 v1(68.25,40)
FMC_D7: U201H.73 U301H.13 | length 55.4
  L1 w0.12: U301H.13@60.8,78.35 60.799,74.301 61.1,74 v1(65.6,74) ; U201H.73@63.25,37.3 63.25,38.275 63.25,38.335 63,38.335 63,38.655 63.5,38.655 63.5,38.975 63,38.975 63,39.295 63.5,39.295 63.5,39.615 63,39.615 63,39.935 63.25,39.935 63.25,40.025 63.25,40.9 63.35,41 64.889,41 67.25,41 v1(67.75,40.5)
  L4 w0.12: v1(65.6,74) 67.68,74 67.75,73.93 v1(67.75,40.5)
FMC_D8: U201H.74 U301H.42 | length 54.2
  L1 w0.12: U301H.42@60.8,66.85 60.8,67.8 60.8,67.86 60.55,67.86 60.55,68.18 61.05,68.18 61.05,68.5 60.55,68.5 60.55,68.82 61.05,68.82 61.05,69.14 60.55,69.14 60.55,69.46 61.05,69.46 61.05,69.78 60.55,69.78 60.55,70.1 61.05,70.1 61.05,70.42 60.55,70.42 60.55,70.74 61.05,70.74 61.05,71.06 60.55,71.06 60.55,71.38 61.05,71.38 61.05,71.7 60.55,71.7 60.55,72.02 60.8,72.02 60.8,72.05 60.9,72.15 61,72.25 v1(63.75,72.25) ; U201H.74@63.75,37.3 v1(63.75,40.5)
  L4 w0.12: v1(63.75,40.5) 63.75,67.64 63.75,67.7 63.5,67.7 63.5,68.02 64,68.02 64,68.34 63.5,68.34 63.5,68.66 64,68.66 64,68.98 63.5,68.98 63.5,69.3 64,69.3 64,69.62 63.5,69.62 63.5,69.94 64,69.94 64,70.26 63.5,70.26 63.5,70.58 63.75,70.58 63.75,70.89 v1(63.75,72.25)
FMC_D9: U201H.75 U301H.44 | length 56.5
  L1 w0.12: U301H.44@62.4,66.85 62.4,69.4 v1(64.25,71.25) ; U201H.75@64.25,37.3 v1(64.25,40)
  L4 w0.12: v1(64.25,40) 64.25,40.95 64.25,41.01 64,41.01 64,41.33 64.5,41.33 64.5,41.65 64,41.65 64,41.97 64.5,41.97 64.5,42.29 64,42.29 64,42.61 64.5,42.61 64.5,42.93 64,42.93 64,43.25 64.5,43.25 64.5,43.57 64,43.57 64,43.89 64.5,43.89 64.5,44.21 64,44.21 64,44.53 64.5,44.53 64.5,44.85 64,44.85 64,45.17 64.5,45.17 64.5,45.49 64,45.49 64,45.81 64.5,45.81 64.5,46.13 64,46.13 64,46.45 64.5,46.45 64.5,46.77 64,46.77 64,47.09 64.5,47.09 64.5,47.41 64,47.41 64,47.73 64.5,47.73 64.5,48.05 64,48.05 64,48.37 64.5,48.37 64.5,48.69 64,48.69 64,49.01 64.5,49.01 64.5,49.33 64,49.33 64,49.65 64.5,49.65 64.5,49.97 64,49.97 64,50.29 64.5,50.29 64.5,50.61 64,50.61 64,50.93 64.5,50.93 64.5,51.25 64,51.25 64,51.57 64.5,51.57 64.5,51.89 64.054,51.89 64.054,52.21 64.25,52.21 64.25,52.45 v1(64.25,71.25)
FMC_D10: U201H.76 U301H.45 | length 56.5
  L1 w0.12: U301H.45@63.2,66.85 63.2,68.7 64.75,70.25 v1(64.75,70.75) ; U201H.76@64.75,37.3 v1(64.75,40.5)
  L4 w0.12: v1(64.75,40.5) 64.75,55.62 64.75,55.68 64.5,55.68 64.5,56 65,56 65,56.32 64.5,56.32 64.5,56.64 65,56.64 65,56.96 64.5,56.96 64.5,57.28 65,57.28 65,57.6 64.5,57.6 64.5,57.92 65,57.92 65,58.24 64.5,58.24 64.5,58.56 65,58.56 65,58.88 64.5,58.88 64.5,59.2 65,59.2 65,59.52 64.5,59.52 64.5,59.84 65,59.84 65,60.16 64.5,60.16 64.5,60.48 65,60.48 65,60.8 64.5,60.8 64.5,61.12 65,61.12 65,61.44 64.5,61.44 64.5,61.76 65,61.76 65,62.08 64.5,62.08 64.5,62.4 65,62.4 65,62.72 64.5,62.72 64.5,63.04 65,63.04 65,63.36 64.5,63.36 64.5,63.68 65,63.68 65,64 64.5,64 64.5,64.32 65,64.32 65,64.64 64.5,64.64 64.5,64.96 65,64.96 65,65.28 64.5,65.28 64.5,65.6 65,65.6 65,65.92 64.5,65.92 64.5,66.24 65,66.24 65,66.56 64.5,66.56 64.5,66.88 65,66.88 65,67.2 64.5,67.2 64.5,67.52 64.75,67.52 64.75,67.75 v1(64.75,70.75)
FMC_D11: U201H.77 U301H.47 | length 55
  L1 w0.12: U301H.47@64.8,66.85 64.8,67.97 65.25,68.42 v1(65.25,69.25) ; U201H.77@65.25,37.3 v1(65.25,40)
  L4 w0.12: v1(65.25,40) 65.25,41 65.25,41.06 65,41.06 65,41.38 65.5,41.38 65.5,41.7 65,41.7 65,42.02 65.5,42.02 65.5,42.34 65,42.34 65,42.66 65.5,42.66 65.5,42.98 65,42.98 65,43.3 65.5,43.3 65.5,43.62 65,43.62 65,43.94 65.5,43.94 65.5,44.26 65,44.26 65,44.58 65.5,44.58 65.5,44.9 65,44.9 65,45.22 65.5,45.22 65.5,45.54 65,45.54 65,45.86 65.5,45.86 65.5,46.18 65,46.18 65,46.5 65.5,46.5 65.5,46.82 65,46.82 65,47.14 65.5,47.14 65.5,47.46 65,47.46 65,47.78 65.5,47.78 65.5,48.1 65,48.1 65,48.42 65.5,48.42 65.5,48.74 65,48.74 65,49.06 65.5,49.06 65.5,49.38 65,49.38 65,49.7 65.5,49.7 65.5,50.02 65,50.02 65,50.34 65.5,50.34 65.5,50.66 65,50.66 65,50.98 65.5,50.98 65.5,51.3 65,51.3 65,51.62 65.5,51.62 65.5,51.94 65,51.94 65,52.26 65.5,52.26 65.5,52.58 65,52.58 65,52.9 65.5,52.9 65.5,53.22 65,53.22 65,53.54 65.5,53.54 65.5,53.86 65,53.86 65,54.18 65.25,54.18 65.25,54.5 v1(65.25,69.25)
FMC_D12: U201H.78 U301H.48 | length 55.4
  L1 w0.12: U301H.48@65.6,66.85 65.6,68.1 65.75,68.25 v1(65.75,71.25) ; U201H.78@65.75,37.3 v1(65.75,40.5)
  L4 w0.12: v1(65.75,40.5) 65.75,40.84 65.75,53.2 65.75,56.52 65.75,56.58 65.5,56.58 65.5,56.9 66,56.9 66,57.22 65.5,57.22 65.5,57.54 66,57.54 66,57.86 65.5,57.86 65.5,58.18 66,58.18 66,58.5 65.5,58.5 65.5,58.82 66,58.82 66,59.14 65.5,59.14 65.5,59.46 66,59.46 66,59.78 65.5,59.78 65.5,60.1 66,60.1 66,60.42 65.5,60.42 65.5,60.74 66,60.74 66,61.06 65.5,61.06 65.5,61.38 66,61.38 66,61.7 65.5,61.7 65.5,62.02 66,62.02 66,62.34 65.5,62.34 65.5,62.66 66,62.66 66,62.98 65.5,62.98 65.5,63.3 66,63.3 66,63.62 65.5,63.62 65.5,63.94 66,63.94 66,64.26 65.5,64.26 65.5,64.58 66,64.58 66,64.9 65.5,64.9 65.5,65.22 66,65.22 66,65.54 65.5,65.54 65.5,65.86 66,65.86 66,66.18 65.5,66.18 65.5,66.5 66,66.5 66,66.82 65.5,66.82 65.5,67.14 66,67.14 66,67.46 65.75,67.46 65.75,67.84 v1(65.75,71.25)